# Altium PCB 键盘 - 副本 - 副本.PcbDoc (part 1 of 3) (continued)
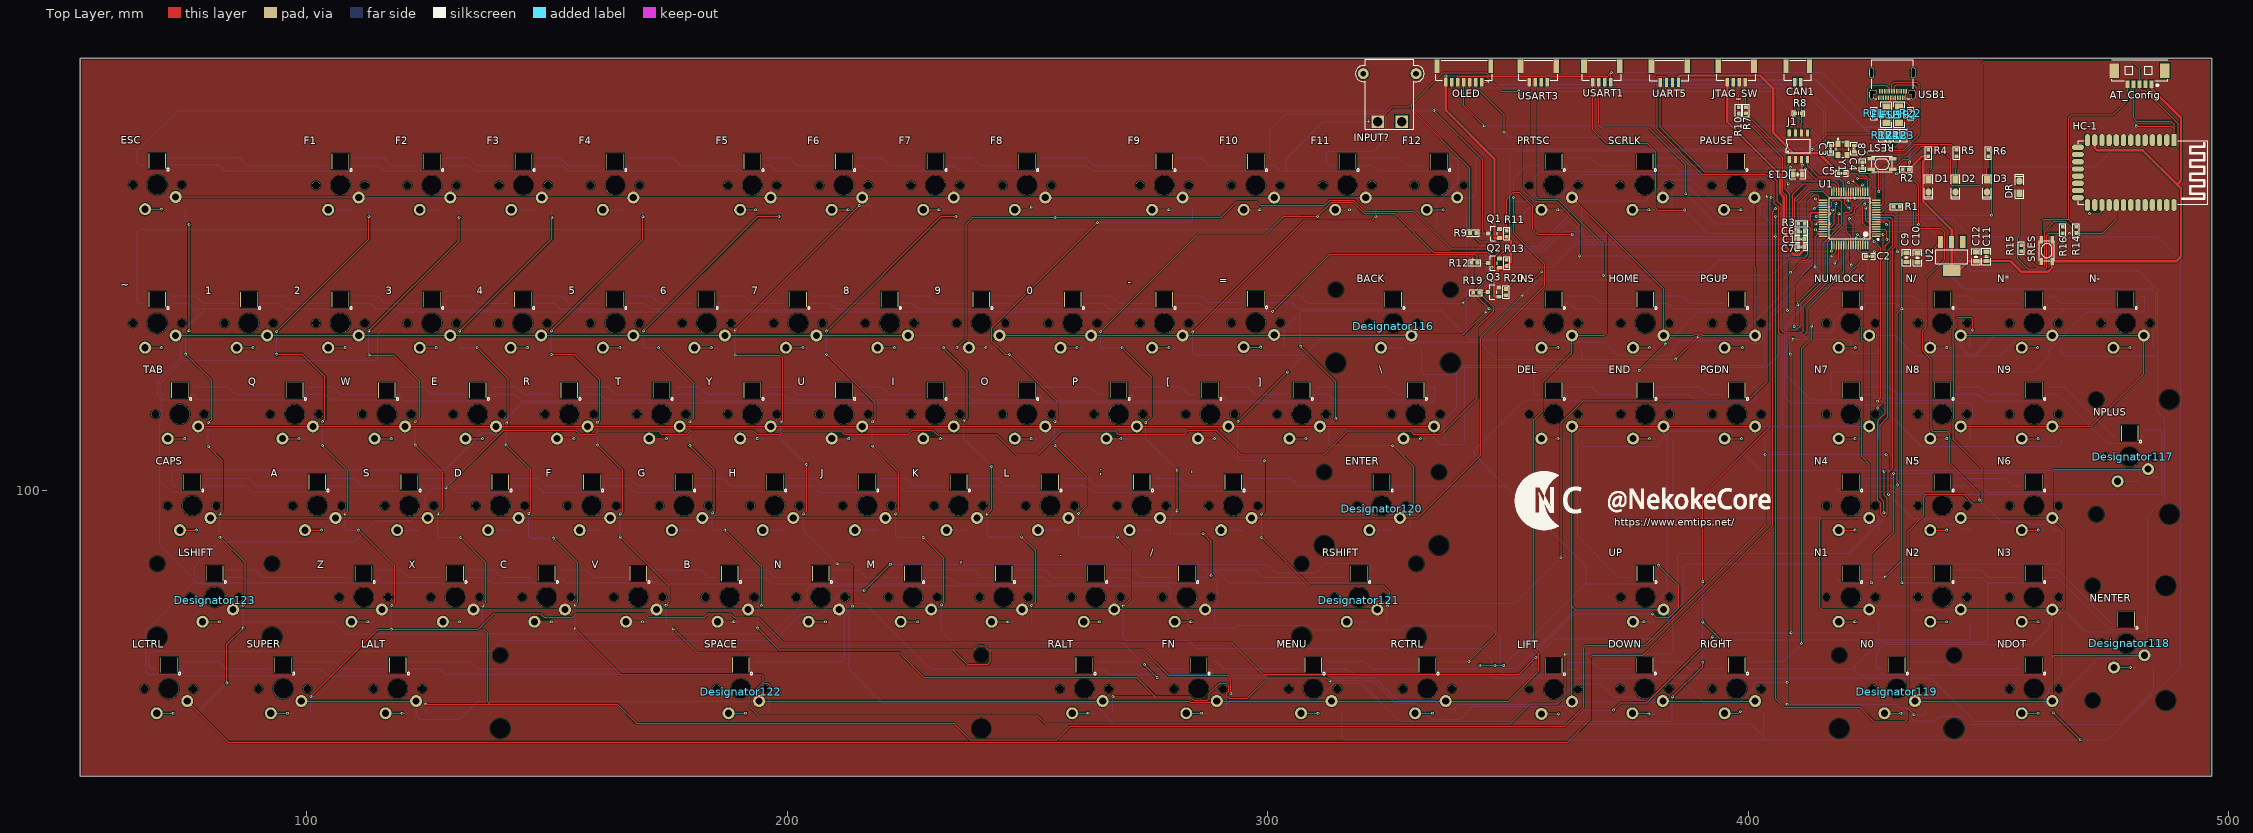
[diagram p0: Top Layer view]
## Components (designator, comment, footprint, x,y, rotation, side; value= is the part's Value field where it differs from the comment) (continued)
T "Comment" MX_SW-1 173.863,115.951 r0 top locked
TAB "Comment" MX_SW-1 73.66,115.951 r0 top locked
U "Comment" MX_SW-1 211.836,115.951 r0 top locked
U1 "STM32F405RGT6" STM32F405RGT6 421.005,156.464 r180 top
U2 "SPX1117M3-L-3-3" SPX1117M3-L-3-3/TR 442.341,148.844 r90 top
UART5 "HDR1x4" GH1.25-立贴-4P 385.5,184.991 r180 top
UP "Comment" MX_SW-1 378.587,77.851 r0 top locked
USART1 "HDR1x4" GH1.25-立贴-4P 371.435,185.039 r180 top
USART3 "HDR1x4" GH1.25-立贴-4P 358.227,185.039 r180 top
USB1 "TYPE-C 24P QT" USB-C-SMD_TYPE-C-24P-QT 430.022,184.404 r180 top
V "Comment" MX_SW-1 169.037,77.851 r0 top locked
W "Comment" MX_SW-1 116.713,115.951 r0 top locked
X "Comment" MX_SW-1 130.937,77.851 r0 top locked
Y "Comment" MX_SW-1 192.786,115.951 r0 top locked
Y1 "12MHZ" SMD-3225_4P 418.719,172.212 r270 top
Z "Comment" MX_SW-1 111.887,77.851 r0 top locked
~ "Comment" MX_SW-1 68.961,134.874 r0 top locked

## Footprints (in the part's own frame and the unit in brackets; to place one, negate y for a bottom-side part, rotate by r counter-clockwise, add the part's x,y. Pads: shape width x height; smd on the part's side, far side on the other; paste and mask are expansions set on the pad)
0603P [mil]
  rect 30x30 smd: 1(-27,0) 2(27.5,-0.06)
  silkscreen extent -50,-20 50,20
AO3400A [mm] "SOT-23_L2.9-W1.3-P1.90-LS2.4-BR"
  rect 1x0.8 smd mask+0.051: 1(1.15,-0.95) 2(1.15,0.95) 3(-1.15,0)
  silkscreen extent -0.7,-1.5 0.7,1.5, body extent -1.5,-1.55 1.5,1.55, height 1.25
"C 0603_L" [mil] "无极性贴片电容                                       淘宝ID:黄晶宝石"
  rect 30x30 smd: 1(-25.59,0) 2(25.59,0)
  silkscreen extent -51,-26 51,26, body extent -31,-16 31,16, height 32
"C 0805_L" [mil] "无极性贴片电容                                        淘宝ID:黄晶宝石"
  rect 35x50 smd: 1(-37.4,0) 2(37.4,0)
  silkscreen extent -67,-36 67,36, body extent -39,-24 39,24, height 20
"FU 1206" [mil] "贴片保险丝"
  rect 50x65 smd: 1(-67.5,0) 2(67.5,0)
  silkscreen extent -105,-45 105,45, body extent -63,-32 63,32, height 34
GH1.25-立贴-2P [mm]
  rect 1x2.8 smd: 0(-1.85,-3.35) 0(3.1,-3.35)
  rect 0.7x1.8 smd: 1(0,0) 2(1.25,0)
  silkscreen extent -2.16,-4.57 3.43,-0.38, body extent -3.19,-4.33 4.46,-0.23, height 4.7
GH1.25-立贴-4P [mm]
  rect 1.2x2.8 smd: 0(-1.85,-3.35) 0(5.6,-3.35)
  rect 0.7x1.8 smd: 1(0,0) 2(1.25,0) 3(2.5,0) 4(3.75,0)
  silkscreen extent -2.16,-4.57 5.97,-0.38, body extent -3.23,-4.08 6.92,0.02, height 4.7
GH1.25-立贴-7P [mm]
  rect 1x2.8 smd: 0(-1.85,-3.35) 0(9.35,-3.35)
  rect 0.7x1.8 smd: 1(0,0) 2(1.25,0) 3(2.5,0) 4(3.75,0) 5(5,0) 6(6.25,0) 7(7.5,0)
  silkscreen extent -2.16,-4.57 9.65,-0.38, body extent -3.2,-4.14 10.7,-0.04, height 4.7
HC-04 [mm] "串口蓝牙模块"
  rect 2.5x1.1 smd: 1(-6.75,6.403)
  oval 2.5x1.1 smd: 2(-6.75,4.903) 3(-6.75,3.403) 4(-6.75,1.903) 5(-6.75,0.403) 6(-6.75,-1.097) 7(-6.75,-2.597) 8(-6.75,-4.097) 9(-6.75,-5.597) 10(-6.75,-7.097) 11(-6.75,-8.597) 12(-6.75,-10.097) 13(-6.75,-11.597) 22(6.75,-11.597) 23(6.75,-10.097) 24(6.75,-8.597) 25(6.75,-7.097) 26(6.75,-5.597) 27(6.75,-4.097) 28(6.75,-2.597) 29(6.75,-1.097) 30(6.75,0.403) 31(6.75,1.903) 32(6.75,3.403) 33(6.75,4.903) 34(6.75,6.403)
  oval 1.1x2.5 smd: 14(-5.25,-13.597) 15(-3.75,-13.597) 16(-2.25,-13.597) 17(-0.75,-13.597) 18(0.75,-13.597) 19(2.25,-13.597) 20(3.75,-13.597) 21(5.25,-13.597)
  silkscreen extent -6.65,-13.49 6.64,13.46, body extent -6.52,-13.37 6.52,13.35, height 2.46
"LED 0805R" [mil] "红色0805LED                                       淘宝ID:黄晶宝石"
  rect 60x50 smd: 1(-50,0)
  oct 60x50 smd: 2(50,0)
  silkscreen extent -90,-35 105,35, body extent -39,-25 39,25, height 32
LL-34_L3.7-W1.6-RD [mil]
  rect 44x67 smd: 1(73,0) 2(-73,0)
  silkscreen extent -39,-27 41,28, body extent -68,-29 78,34, height 63
"MX 1.25-WS-5P" [mm] "长：11.4mm，宽：4.2mm，高：3.4mm"
  rect 2x3 smd: 0(-5.257,0) 0(5.257,0)
  rect 0.8x1.6 smd: 1(-2.514,2.811) 2(-1.264,2.811) 3(-0.014,2.811) 4(1.236,2.811) 5(2.486,2.811)
  silkscreen extent -5.86,-2.23 5.83,3.25, body extent -5.7,-2.1 5.7,3.09, height 3.4
MX_SW-1 [mm] "with Fixation pins  1-Pole w/Diode"
  round 2.5 hole 1.5: 1(3.81,-2.54) 2(-2.54,-5.08)
  rect 1.7x0.9 smd far side: 3(2.85,4.203) 4(2.85,5.703) 6(-2.85,4.203)
  oct 1.8x0.9 smd far side: 5(-2.9,5.703)
  round 1.702 hole 1.702: ""(-5.08,0) ""(5.08,0)
  round 4.064 hole 4.064: ""(0,0)
  rect 3.6x3.2 hole 3.2 square: ""(0,4.953)
  silkscreen extent 1.97,2.93 2.47,3.42, body extent -7.85,-7.8 7.75,7.8, height 15.4
"R 0603_L" [mil] "1/10W贴片电阻                 淘宝ID:黄晶宝石"
  rect 30x30 smd: 1(-25.59,0) 2(25.59,0)
  silkscreen extent -51,-26 51,26, body extent -31,-16 32,16, height 16
SMD-3.2*4.2 [mm]
  rect 1.5x0.7 smd: 1(-2.25,1.125) 1(2.25,1.125) 2(-2.25,-1.125) 2(2.25,-1.125)
  silkscreen extent -2.1,-1.6 2.1,1.6, body extent -2.73,-1.6 2.47,1.58, height 1.8
SMD-3225_4P [mm]
  rect 1.3x1.05 smd: 1(0,0) 2(2.3,0) 3(2.3,1.85) 4(0,1.85)
  silkscreen extent -1.14,-0.33 2.74,2.17, body extent -0.46,-0.36 2.74,2.14, height 0.7
SOIC-8_150MIL [mm]
  rect 1.473x0.65 smd: 1(0,0) 2(0,-1.27) 3(0,-2.54) 4(0,-3.81) 5(5.5,-3.81) 6(5.5,-2.54) 7(5.5,-1.27) 8(5.5,0)
  silkscreen extent 1.35,-4.34 4.2,0.58, body extent -0.3,-4.34 5.7,0.56, height 1.7
SPX1117M3-L-3-3/TR [mm] "SOT-223-3_L6.5-W3.4-P2.30-LS7.0-BR"
  rect 2.5x1.1 smd mask+0.051: 1(2.97,-2.3) 2(2.97,0) 3(2.97,2.3)
  rect 2.34x3.6 smd mask+0.051: 4(-2.97,0)
  silkscreen extent -1.57,-3.33 1.37,3.33, body extent -3.65,-3.35 3.64,3.35, height 1.81
STM32F405RGT6 [mm] "LQFP-64_L10.0-W10.0-P0.50-LS12.0-BL"
  oval 1.796x0.28 smd: 1(-5.677,3.496) 2(-5.677,2.996) 3(-5.677,2.496) 4(-5.677,1.996) 5(-5.677,1.496) 6(-5.677,0.996) 7(-5.677,0.496) 8(-5.677,-0.004) 9(-5.677,-0.504) 10(-5.677,-1.004) 11(-5.677,-1.504) 12(-5.677,-2.004) 13(-5.677,-2.504) 14(-5.677,-3.004) 15(-5.677,-3.504) 16(-5.677,-4.004) 33(5.423,-4.004) 34(5.423,-3.504) 35(5.423,-3.004) 36(5.423,-2.504) 37(5.423,-2.004) 38(5.423,-1.504) 39(5.423,-1.004) 40(5.423,-0.504) 41(5.423,-0.004) 42(5.423,0.496) 43(5.423,0.996) 44(5.423,1.496) 45(5.423,1.996) 46(5.423,2.496) 47(5.423,2.996) 48(5.423,3.496)
  oval 0.28x1.796 smd: 17(-3.877,-5.804) 18(-3.377,-5.804) 19(-2.877,-5.804) 20(-2.377,-5.804) 21(-1.877,-5.804) 22(-1.377,-5.804) 23(-0.877,-5.804) 24(-0.377,-5.804) 25(0.123,-5.804) 26(0.623,-5.804) 27(1.123,-5.804) 28(1.623,-5.804) 29(2.123,-5.804) 30(2.623,-5.804) 31(3.123,-5.804) 32(3.623,-5.804) 49(3.623,5.296) 50(3.123,5.296) 51(2.623,5.296) 52(2.123,5.296) 53(1.623,5.296) 54(1.123,5.296) 55(0.623,5.296) 56(0.123,5.296) 57(-0.377,5.296) 58(-0.877,5.296) 59(-1.377,5.296) 60(-1.877,5.296) 61(-2.377,5.296) 62(-2.877,5.296) 63(-3.377,5.296) 64(-3.877,5.296)
  silkscreen extent -6.18,-4.5 4.12,4.29, body extent -6.01,-6.14 5.76,5.63, height 1.55
USB-C-SMD_TYPE-C-24P-QT [mm]
  oval 1x2 hole 0.6 slot 1.6 at 90 deg: 1(-4.32,1.963) 2(4.32,1.963)
  oval 1.5x1 hole 0.6 slot 1.2 at 0 deg: 1(-3.97,1.463) 2(3.97,1.463)
  oval 1x2.3 hole 0.6 slot 1.9 at 90 deg: 3(4.32,-2.587) 4(-4.32,-2.587)
  rect 0.3x0.95 smd: A1(-2.625,2.588) A2(-2.125,2.588) A3(-1.625,2.588) A4(-1.125,2.588) A5(-0.625,2.588) A6(-0.125,2.588) A7(0.375,2.588) A8(0.875,2.588) A9(1.375,2.588) A10(1.875,2.588) A11(2.375,2.588) A12(2.875,2.588) B1(2.625,1.288) B2(2.125,1.288) B3(1.625,1.288) B4(1.125,1.288) B5(0.625,1.288) B6(0.125,1.288) B7(-0.375,1.288) B8(-0.875,1.288) B9(-1.375,1.288) B10(-1.875,1.288) B11(-2.375,1.288) B12(-2.875,1.288)
  round 0.5 hole 0.5 unplated: ""(-3.4,0.613) ""(3.4,0.613)
  silkscreen extent -4.32,-5.29 4.32,2.79
XT30PW-M [mm]
  round 2.3 hole 1.2: 0(-5.5,-5) 0(5.5,-5)
  rect 2.6x2.6 hole 1.9: 1(-2.5,5) 2(2.5,5)
  silkscreen extent -7.18,-7.95 7.14,6.52, body extent -6.67,-7.95 6.63,6, height 5
卫星轴 [mil] "stab"
  round 0 hole 120: 0(-470,275) 3(470,275)
  round 0 hole 157: 1(-470,-325) 4(470,-325)
  body extent -599,-435 609,321, height 622
空格卫星轴 [mil] "stab"
  round 0 hole 120: 0(1970,275) 3(-1970,275)
  round 0 hole 157: 1(1970,-325) 4(-1970,-325)
  body extent -2103,-433 2104,328, height 461

## Part data
0 1 2 3 4 5 6 7 8 9 ' , - . / ; = [ \ ] A B BACK C CAPS D DEL DOWN E END ENTER ESC F F1 F2 F3 F4 F5 F6 F7 F8 F9 F10 F11 F12 FN G H HOME I INS J K L LALT LCTRL LIFT LSHIFT M MENU N N0 N1 N2 N3 N4 N5 N6 N7 N8 N9 N* N- N/ NDOT NENTER NPLUS NUMLOCK O P PAUSE PGDN PGUP PRTSC Q R RALT RCTRL RIGHT RSHIFT S SCRLK SPACE SUPER T TAB U UP V W X Y Z ~: library part MX_SW-1
AT_Config: library part HDR1x5_卧
C1 C2 C3 C4 C5 C6 C7 C8 C9 C10 C11 C12 C13: "Capacitor", LatestRevisionDate=17-Jul-2002, LatestRevisionNote="Re-released for DXP Platform.", PackageDescription="Radial Cap, Thru-Hole; 2 Leads; 0.3 in Pin Spacing", PackageReference=RAD-0.3, Published=8-Jun-2000, Publisher="Altium Limited"
D1 D2 D3 DR: library part "LED 0805R 红", "Typical INFRARED GaAs LED", LatestRevisionDate=08-Jul-2005, LatestRevisionNote="Mech Layer 1 removed.", PackageDescription="LED; 2 Leads", PackageReference=LED-0, Published=8-Jun-2000, Publisher="Altium Limited"
D4 D5 D6 D7 D8 D9 D10 D11 D12 D13 D14 D15 D16 D17 D18 D19 D20 D21 D22 D23 D24 D25 D26 D27 D28 D29 D30 D31 D32 D33 D34 D35 D36 D37 D38 D39 D40 D41 D42 D43 D44 D45 D46 D47 D48 D49 D50 D51 D52 D53 D54 D55 D56 D57 D58 D59 D60 D61 D62 D63 D64 D65 D66 D67 D68 D69 D70 D71 D72 D73 D74 D75 D76 D77 D78 D79 D80 D81 D82 D83 D84 D85 D86 D87 D88 D89 D90 D91 D92 D93 D94 D95 D96 D97 D98 D99 D100 D101 D102 D103 D104 D105 D106 D107: library part Diode, "Default Diode", Code_JEDEC=DO-214-AB, LatestRevisionDate=17-Jul-2002, LatestRevisionNote="Re-released for DXP Platform.", PackageDescription="DO-214-AB/SMC; 2 C-Bend Leads; Body 7.9 x 5.9 mm, inc. leads (LxW)", PackageReference=SMC, PackageVersion=Sep-1996, Published=8-Jun-2000, Publisher="Altium Limited"
FUSB FUSB2: library part FU, LatestRevisionDate=17-Jul-2002, LatestRevisionNote="Re-released for DXP Platform.", PackageDescription="Axial Device, Thru-Hole; 2 Leads; 0.3 in Pin Spacing", PackageReference=AXIAL-0.3, Published=8-Jun-2000, Publisher="Altium Limited"
HC-1: library part HC-04
J1: BOM_JLCPCB Part Class="Basic Part", BOM_Manufacturer=NXP, BOM_Manufacturer Part=TJA1050T/CM,118, BOM_Supplier=LCSC, BOM_Supplier Part=C6952, spicePre=U, spiceSymbolName=TJA1050T/CM,118
JTAG_SW UART5 USART1 USART3: library part HDR1x4_卧
Q1 Q2 Q3: library part 2N7002,215, Continuous Drain Current (Id)=300mA, Drain Source On Resistance (RDS(on)@Vgs,Id)=5Ω@10V,500mA, Drain Source Voltage (Vdss)=60V, Gate Threshold Voltage (Vgs(th)@Id)=2.5V@250A, JLCPCB Part Class="Extended Part", LCSC Part Name="N沟道 60V 300mA", Manufacturer=Nexperia(安世), Power Dissipation (Pd)=830mW, Add into BOM=yes, Convert to PCB=yes, Datasheet=https://atta.szlcsc.com/upload/public/pdf/source/20170103/1483439882638.pdf, Device=2N7002,215, Manufacturer Part=2N7002,215, Supplier=LCSC, Supplier Footprint=SOT-23(SOT-23-3), Supplier Part=C65189, Symbol=2N7002,215, Type=N沟道
R1 R2 R3 R4 R5 R6 R7 R8 R9 R10 R11 R12 R13 R17 R18 R19 R20 R21 R22 R23 R24: "Resistor", LatestRevisionDate=17-Jul-2002, LatestRevisionNote="Re-released for DXP Platform.", PackageDescription="Axial Device, Thru-Hole; 2 Leads; 0.4 in Pin Spacing", PackageReference=AXIAL-0.4, Published=8-Jun-2000, Publisher="Altium Limited"
R14 R15 R16: library part "R 0603_L", "Resistor", LatestRevisionDate=17-Jul-2002, LatestRevisionNote="Re-released for DXP Platform.", PackageDescription="Axial Device, Thru-Hole; 2 Leads; 0.4 in Pin Spacing", PackageReference=AXIAL-0.4, Published=8-Jun-2000, Publisher="Altium Limited"
REST SRES: "Switch", LatestRevisionDate=17-Jul-2002, LatestRevisionNote="Re-released for DXP Platform.", PackageDescription="Switch; 2 Leads", PackageReference=SPST-2, Published=24-Mar-1999, Publisher="Altium Limited"
U1: BOM_JLCPCB Part Class="Extended Part", BOM_Manufacturer=ST, BOM_Manufacturer Part=STM32F405RGT6, BOM_Supplier=LCSC, BOM_Supplier Part=C15742, image=http://image.lceda.cn/szlcsc/C15742.jpg, spicePre=U, spiceSymbolName=STM32F405RGT6, subpart_no=1, tags=STM32
U2: Dropout Voltage=5V@(10mA), JLCPCB Part Class="Extended Part", LCSC Part Name="Vin=40V Vout=1.3V~37V 1A", Manufacturer=UTC(友顺), Manufacturer Part=LM317G-AA3-R, Maximum Input Voltage=40V, Output Current=1A, Output Voltage=1.3V~37V, Add into BOM=yes, Convert to PCB=yes, Datasheet=https://atta.szlcsc.com/upload/public/pdf/source/20160416/1460799387250.pdf, Device=LM317G-AA3-R, Number of Outputs=1, Output Polarity=正, Output Type=可调, Supplier=LCSC, Supplier Footprint=SOT-223, Supplier Part=C19651, Symbol=LM317G-AA3-R
USB1: BOM_JLCPCB Part Class="Extended Part", BOM_Manufacturer="SHOU HAN(首韩)", BOM_Manufacturer Part="TYPE-C 24P QT", BOM_Supplier=LCSC, BOM_Supplier Part=C2681555, Contributor=LCSC, spicePre=U, spiceSymbolName="TYPE-C 24P QT"
Y1: library part "3325 12Mhz", "3325 12MHZ 无源晶振"

## Via types
v1: diameter 0.61, hole 0.305, Top Layer to Bottom Layer, 337 vias

## Nets (pads, with @x,y where several pads share a name; then routed paths per layer and width w, separated by ;. In a path a pad name is that pad's centre, name@x,y a point inside that pad or via, vN(x,y) a via of type N, cw(c..) or ccw(c..) an arc to the next point about the centre after c; other vN are vias at no path point)
BUTTON_AD(PA3): OLED.1 U1.17 | length 95.8
  Top Layer w0.254: OLED.1@344.598,185.039 344.598,185.064 v1(345.846,185.064) ; v1(422.745,165.024) 424.45,165.024 424.882,164.592 U1.17@424.882,162.268
  Bottom Layer w0.254: v1(345.846,185.064) 346.304,184.607 411.226,184.607 416.16,179.673 416.16,171.609 v1(422.745,165.024)
CAN2_RX(PB5): J1.4 U1.57 | length 33.1
  Top Layer w0.254: J1.4@412.369,168.998 412.369,167.65 414.614,165.405 420.805,165.405 421.538,166.138 422.475,166.138 422.99,165.624 424.494,165.624 425.399,164.719 425.399,161.341 424.993,160.934 424.434,160.934 422.158,158.659 422.158,158.067 421.594,157.502 420.652,157.502 420.427,157.277 420.427,153.969 421.382,153.014 U1.57@421.382,151.168
CAN2_TX(PB6): J1.1 U1.58 | length 28.1
  Top Layer w0.254: v1(408.356,163.871) 408.162,164.065 408.162,167.698 408.559,168.096 J1.1@408.559,168.998 ; v1(421.059,156.667) 421.059,156.131 421.872,155.318 421.872,151.931 421.882,151.92 U1.58@421.882,151.168
  Bottom Layer w0.254: v1(408.356,163.871) 408.356,161.874 410.079,160.15 413.989,160.15 414.935,159.204 418.522,159.204 v1(421.059,156.667)
CAN_H: CAN1.2 J1.7 R8.2 | length 10.6
  Top Layer w0.254: CAN1.2@409.702,185.039 409.702,181.813 409.765,181.75 R8.2@409.765,178.564 409.765,176.594 409.829,176.53 J1.7@409.829,174.498
CAN_L: CAN1.1 J1.6 R8.1 | length 10.6
  Top Layer w0.254: CAN1.1@410.952,185.039 410.952,181.884 411.15,181.686 R8.1@411.15,178.562 411.15,176.581 411.099,176.53 J1.6@411.099,174.498
DIN_1_1: F12.4 ~.6 | length 304.1
  Bottom Layer w0.254: ~.6@66.111,139.077 65.024,139.077 64.821,139.28 64.821,153.797 65.43,154.407 334.874,154.407 335.305,154.838 335.305,159.884 339.7,164.278 339.7,169.062 339.483,169.279 F12.4@338.511,169.279
DIN_2_1: \.4 CAPS.6 | length 277.7
  Bottom Layer w0.254: CAPS.6@73.35,101.104 72.339,101.104 72.06,101.383 72.06,103.708 72.746,104.394 128.88,104.394 136.55,112.065 138.562,112.065 138.816,111.811 140.076,111.811 141.023,112.758 141.023,114.402 144.931,118.31 334.058,118.31 334.874,119.126 334.874,121.451 334.67,121.654 \.4@333.685,121.654
DIN_3_1: LCTRL.6 RSHIFT.4 | length 269
  Top Layer w0.254: v1(216.052,79.273) v1(221.513,84.734)
  Bottom Layer w0.254: LCTRL.6@68.524,63.004 67.691,63.004 67.234,63.461 67.234,65.989 67.869,66.624 138.481,66.624 140.818,68.961 197.46,68.961 202.87,74.371 206.866,74.371 211.769,79.273 v1(216.052,79.273) ; v1(221.513,84.734) 299.974,84.734 301.727,82.982 310.083,82.982 311.988,84.887 321.056,84.887 321.462,84.48 321.462,83.554 RSHIFT.4@321.874,83.554
DIN_3_2: DEL.6 PGUP.4 | length 61.3
  Top Layer w0.254: v1(377.342,125.044) v1(382.829,130.531)
  Bottom Layer w0.254: DEL.6@356.687,120.154 355.6,120.154 355.371,120.383 355.371,124.686 355.73,125.044 v1(377.342,125.044) ; v1(382.829,130.531) 389.534,137.236 401.142,137.236 401.676,137.77 401.676,140.425 401.523,140.577 PGUP.4@400.487,140.577
DIN_3_3: N9.4 NPLUS.6 | length 18.5
  Bottom Layer w0.254: N9.4@462.336,121.654 465.785,121.654 476.175,111.264 NPLUS.6@476.575,111.264
DIN_3V3_1(PB7): Q1.2 R11.1 U1.59 | length 97.5
  Top Layer w0.254: Q1.2@348.241,154.493 R11.1@349.758,154.493 ; R11.1@349.758,154.193 R11.1@349.758,154.493 ; v1(363.407,153.365) 356.21,153.365 355.194,154.381 355.194,159.258 352.349,162.103 351.13,162.103 350.418,161.392 ; U1.59@422.382,151.168 422.382,152.457 v1(422.504,152.578) ; R11.1@349.758,154.493 349.91,154.493 350.418,155.001 350.418,161.392 ; R11.1@349.758,154.493 349.758,160.731 350.418,161.392
  Bottom Layer w0.254: v1(363.407,153.365) 364.944,151.829 419.627,151.829 420.376,152.578 v1(422.504,152.578)
DIN_3V3_2(PB8): Q2.2 R13.1 U1.61 | length 82.5
  Top Layer w0.254: v1(349.352,149.758) 349.078,149.758 348.234,148.914 Q2.2@348.234,148.336 348.869,148.336 349.108,148.097 R13.1@349.758,148.097 ; v1(422.798,153.391) 423.382,152.806 U1.61@423.382,151.168
  Bottom Layer w0.254: v1(349.352,149.758) 357.403,149.758 361.673,154.028 364.327,154.028 366.04,152.316 417.492,152.316 418.567,153.391 v1(422.798,153.391)
DIN_3V3_3(PB9): Q3.2 R20.1 U1.62 | length 82.4
  Top Layer w0.254: Q3.2@348.114,142.301 348.717,142.301 349.017,142.001 R20.1@349.631,142.001 351.826,144.196 355.651,144.196 v1(357.048,145.593) ; U1.62@423.882,151.168 423.882,152.381 v1(424.078,152.578)
  Bottom Layer w0.254: v1(357.048,145.593) 391.439,145.593 393.97,148.123 419.395,148.123 422.738,151.466 423.756,151.466 424.078,151.789 v1(424.078,152.578)
DIN_5V0_1: ESC.6 Q1.3 R9.1 | length 309.8
  Top Layer w0.254: v1(334.62,179.146) 344.729,169.037 344.729,154.026 345.211,153.543 ; R9.1@343.423,153.67 344.602,153.67 344.729,153.543 345.211,153.543 ; Q1.3@345.941,153.543 345.211,153.543
  Bottom Layer w0.254: ESC.6@66.111,167.906 65.024,167.906 64.821,168.109 64.821,170.663 73.304,179.146 v1(334.62,179.146)
DIN_5V0_2: Q2.3 R12.1 TAB.6 | length 295.2
  Top Layer w0.254: v1(301.066,137.36) 312.931,149.225 343.194,149.225 343.677,148.742 R12.1@343.677,147.447 344.754,147.447 344.815,147.386 Q2.3@345.934,147.386
  Bottom Layer w0.254: TAB.6@70.81,120.154 69.901,120.154 69.533,120.522 69.533,122.428 74.308,127.203 114.427,127.203 114.833,127.61 114.833,132.436 119.631,137.233 226.92,137.233 226.924,137.236 295.453,137.236 295.577,137.36 v1(301.066,137.36)
DIN_5V0_3: LSHIFT.6 Q3.3 R19.1 | length 324.1
  Top Layer w0.254: v1(129.032,100.609) 140.995,112.573 156.032,112.573 156.794,111.811 160.071,111.811 160.731,112.471 173.304,112.471 173.965,111.811 179.222,111.811 179.959,112.547 193.015,112.547 193.751,111.811 198.653,111.811 199.314,112.471 211.303,112.471 211.963,111.811 225.247,111.811 226.009,112.573 230.353,112.573 231.216,111.709 243.611,111.709 247.777,107.544 252.222,107.544 257.15,112.471 268.3,112.471 268.961,111.811 282.778,111.811 283.54,112.573 289.357,112.573 294.437,107.493 311.709,107.493 316.687,112.471 329.768,112.471 330.429,111.811 336.169,111.811 343.662,119.304 343.662,134.015 347.066,137.419 347.066,138.231 R19.1@344.073,141.224 344.983,141.351 Q3.3@345.814,141.351
  Bottom Layer w0.254: LSHIFT.6@78.049,82.054 77.114,82.054 76.772,82.396 76.772,84.328 81.877,89.433 110.058,89.433 114.452,93.828 121.768,93.828 124.765,96.825 124.765,99.035 126.34,100.609 v1(129.032,100.609)
GND_BT: 0.5 1.5 2.5 3.5 4.5 5.5 6.5 7.5 8.5 9.5 '.5 ,.5 -.5 ..5 /.5 ;.5 =.5 [.5 \.5 ].5 A.5 AT_Config.2 B.5 BACK.5 C1.2 C2.2 C3.2 C4.1 C5.2 C6.2 C7.2 C8.2 C9.1 C10.1 C11.1 C12.1 C13.2 C.5 CAPS.5 D1.2 D2.2 D3.2 D.5 DEL.5 DOWN.5 DR.2 E.5 END.5 ENTER.5 ESC.5 F1.5 F2.5 F3.5 F4.5 F5.5 F6.5 F7.5 F8.5 F9.3 F9.5 F10.5 F11.5 F12.5 F.5 FN.5 G.5 H.5 HC-1.13 HC-1.21 HC-1.22 HOME.5 I.5 INPUT?.1 INS.5 J1.2 J1.8 J.5 JTAG_SW.3 K.5 L.5 LALT.5 LCTRL.5 LIFT.5 LSHIFT.5 M.5 MENU.5 N0.5 N1.5 N2.5 N3.5 N4.5 N5.5 N6.5 N7.5 N8.5 N9.5 N*.5 N-.5 N.5 N/.5 NDOT.5 NENTER.5 NPLUS.5 NUMLOCK.5 O.5 OLED.6 P.5 PAUSE.5 PGDN.5 PGUP.5 PRTSC.5 Q.5 R1.2 R3.2 R15.2 R.5 RALT.5 RCTRL.5 REST.2 RIGHT.5 RSHIFT.5 S.5 SCRLK.5 SPACE.5 SUPER.5 T.5 TAB.5 U1.12 U1.18 U1.63 U2.1 U.5 UART5.2 UP.5 USART1.2 USART3.2 USB1.A1 USB1.A12 USB1.B1 USB1.B12 V.5 W.5 X.5 Y1.2 Y1.4 Y.5 Z.5 ~.5 | length 1.4
  Top Layer w0.254: USB1.A1@432.647,181.816 432.647,182.067 432.897,182.317 USB1.B12@432.897,183.116
HC_KEY: AT_Config.5 R14.2 SRES.1 | length 54.7
  Top Layer w0.254: SRES.1@461.028,147.737 SRES.1@461.028,152.237 461.028,156.058 461.5,156.53 466.674,156.53 ; R14.2@468.249,154.955 466.674,156.53 ; AT_Config.5@478.971,184.641 478.971,181.254 475.948,178.232 467.309,178.232 466.674,177.597 466.674,156.53
HC_RX: AT_Config.3 HC-1.2 U1.14 | length 120.5
  Top Layer w0.254: U1.14@426.682,159.468 427.819,159.468 428.066,159.715 428.066,167.437 428.269,167.64 430.902,167.64 432.294,169.032 433.435,169.032 436.067,171.665 439.586,171.665 442.163,169.088 442.163,163.83 442.366,163.627 448.259,163.627 448.742,164.109 448.742,188.925 449.097,189.281 479.998,189.281 481.471,187.808 AT_Config.3@481.471,184.641 481.471,183.693 481.776,183.388 482.523,183.388 489.499,176.412 489.499,171.501 489.397,171.399 487.427,171.399 487.122,171.704 HC-1.2@487.122,172.993
HC_TX: AT_Config.4 HC-1.1 U1.15 | length 104.3
  Top Layer w0.254: v1(425.342,159.968) U1.15@426.682,159.968 ; AT_Config.4@480.221,184.641 480.221,177.512 480.771,176.962 487.985,176.962 488.622,176.325 488.622,175.385 ; v1(480.771,175.92) 488.086,175.92 488.622,175.385 ; HC-1.1@488.622,172.993 488.622,175.385
  Bottom Layer w0.254: v1(425.342,159.968) 425.825,162.909 426.263,163.347 426.263,171.568 428.228,173.533 430.098,173.533 431.597,172.034 431.597,167.894 432.003,167.488 472.338,167.488 v1(480.771,175.92)
KEY_POS1: D4.2 D17.2 D31.2 D45.2 D58.2 D70.2 D84.2 D99.2 U1.8 | length 676.9
  Top Layer w0.254: v1(74.879,128.448) 80.264,123.063 80.264,114.935 v1(79.578,114.249) ; v1(75.565,133.325) v1(75.565,155.473) ; v1(79.578,109.245) 82.512,106.312 82.512,95.75 v1(81.991,95.23) ; v1(81.991,90.348) 87.211,85.128 87.211,76.517 v1(86.817,76.124) ; v1(83.439,59.995) 83.439,68.072 v1(86.817,71.45) ; U1.8@426.682,156.468 428.914,156.468 429.514,155.868 429.514,151.994 428.574,151.054 428.574,116.154 426.999,114.579 426.999,98.069 427.644,97.425 427.644,95.742 427.634,95.733 427.634,95.098 427.993,94.739 428.546,94.739 428.904,95.098 428.904,98.45 428.295,99.06 v1(428.295,104.064)
  Bottom Layer w0.254: D4.2@74.752,158.623 74.752,156.286 v1(75.565,155.473) ; v1(74.879,128.448) D17.2@74.879,129.794 74.879,132.639 v1(75.565,133.325) ; D70.2@77.165,53.721 v1(83.439,59.995) ; v1(79.578,109.245) D31.2@79.578,110.871 v1(79.578,114.249) ; v1(81.991,90.348) D45.2@81.991,91.821 v1(81.991,95.23) ; v1(86.817,71.45) D58.2@86.817,72.771 ; v1(86.817,76.124) D58.2@86.817,72.771 ; D84.2@365.455,110.871 365.455,109.728 365.912,109.271 381.102,109.271 381.559,109.728 381.559,110.343 383.134,111.917 ; v1(428.295,104.064) v1@428.495,104.264 ; D99.2@485.216,101.981 485.216,102.921 482.6,102.921 481.257,104.264 v1@428.495,104.264 ; D58.2@86.817,72.771 105.791,72.771 108.255,70.307 197.079,70.307 204.292,77.521 204.292,79.677 204.826,80.21 279.276,80.21 279.832,79.654 279.832,77.699 283.464,74.066 283.464,72.161 284.074,71.552 293.141,71.552 293.599,72.009 308.483,72.009 309.321,71.171 327.914,71.171 328.676,71.933 346.1,71.933 348.513,69.52 348.513,63.398 348.844,63.068 351.815,63.068 364.236,75.489 379.561,75.489 383.134,79.061 383.134,111.917 ; 383.134,111.917 383.687,112.471 396.24,112.471 396.697,112.014 396.697,110.134 402.568,104.264 428.295,104.264 v1@428.495,104.264
KEY_POS2: D5.2 D18.2 D32.2 D46.2 D59.2 D71.2 D85.2 D100.2 U1.9 | length 607.3
  Top Layer w0.254: v1(93.802,128.448) 99.136,128.448 103.848,123.736 103.848,114.927 v1(103.327,114.407) ; v1(93.802,133.172) 112.979,152.349 v1(112.979,157.099) ; v1(100.914,57.226) 114.859,71.171 v1@117.754,71.171 ; v1(103.327,109.398) 108.585,104.14 108.585,95.758 v1(108.026,95.199) ; v1(110.871,91.821) 118.364,84.328 118.364,76.835 v1(117.678,76.149) ; v1(117.678,71.247) v1@117.754,71.171 ; v1(355.829,65.329) 352.323,61.824 299.009,61.824 292.456,68.377 199.263,68.377 194.056,73.584 189.078,73.584 188.189,74.473 183.693,74.473 182.931,73.711 171.12,73.711 170.358,74.473 156.134,74.473 155.372,73.711 149.504,73.711 148.742,74.473 139.014,74.473 135.712,71.171 v1@117.754,71.171 ; U1.9@426.682,156.968 429.524,156.968 430.143,156.349 430.143,151.019 429.08,149.956 429.08,115.301 427.46,113.681 427.46,98.533 428.269,97.723 v1(428.269,95.453)
  Bottom Layer w0.254: v1(93.802,128.448) D18.2@93.802,129.794 v1(93.802,133.172) ; D71.2@100.914,53.721 v1(100.914,57.226) ; v1(103.327,109.398) D32.2@103.327,110.871 v1(103.327,114.407) ; v1(108.026,95.199) D46.2@108.026,91.821 v1(110.871,91.821) ; v1(112.979,157.099) D5.2@112.979,158.496 ; v1(117.678,71.247) D59.2@117.678,72.771 v1(117.678,76.149) ; v1(355.829,65.329) 359.766,69.266 380.822,69.266 383.489,71.933 383.489,73.965 383.896,74.676 385.343,76.124 385.343,86.563 385.75,86.97 420.929,86.97 426.479,92.519 426.72,92.761 ; D85.2@384.378,110.871 384.378,94.844 384.861,94.361 422.966,94.361 424.566,92.761 426.72,92.761 ; D100.2@427.177,91.821 427.177,93.218 ; 426.72,92.761 427.177,93.218 ; 427.177,93.218 428.269,94.31 v1(428.269,95.453) 427.177,94.361 427.177,93.218
KEY_POS3: D6.2 D19.2 D33.2 D47.2 D60.2 D72.2 D86.2 D101.2 U1.10 | length 593
  Top Layer w0.254: v1(112.979,128.27) 118.11,128.27 123.571,122.809 123.571,115.316 v1(122.631,114.376) ; v1(112.979,133.299) 131.775,152.095 v1(131.775,156.921) ; v1(122.631,109.525) 128.397,103.759 128.397,96.266 v1(127.33,95.199) ; v1(124.79,55.626) 138.151,55.626 ; v1(132.08,90.297) 137.303,85.074 137.303,76.627 v1(136.728,76.053) ; 136.728,71.298 137.693,70.333 137.693,56.083 138.151,55.626 ; v1(403.555,107.594) 403.555,92.862 378.562,67.869 366.217,67.869 365.811,67.462 365.811,54.991 361.798,50.978 258.902,50.978 256.134,48.209 238.1,48.209 234.696,51.613 168.681,51.613 164.668,55.626 138.151,55.626 ; U1.10@426.682,157.468 430.132,157.468 430.597,157.003 430.597,150.784 430.146,150.333 430.146,104.766 429.209,103.83 ; v1(428.727,107.594) 429.209,107.112 429.209,103.83 ; v1(429.209,99.263) 429.209,103.83
  Bottom Layer w0.254: v1(112.979,128.27) D19.2@112.979,129.794 v1(112.979,133.299) ; v1(122.631,109.525) D33.2@122.631,110.871 v1(122.631,114.376) ; D72.2@124.79,53.721 v1(124.79,55.626) ; v1(127.33,95.199) D47.2@127.33,91.821 127.33,90.576 127.61,90.297 v1(132.08,90.297) ; v1(131.775,156.921) D6.2@131.775,158.496 ; 136.728,71.298 D60.2@136.728,72.771 v1(136.728,76.053) ; v1(403.555,107.594) v1(428.727,107.594) 403.562,108.001 403.555,108.001 D86.2@403.555,110.871 ; v1(429.209,99.263) 434.188,94.285 440.157,94.285 441.427,93.015 443.408,93.015 444.297,92.126 446.227,92.126 D101.2@446.227,91.821
KEY_POS4: D7.2 D20.2 D34.2 D48.2 D61.2 D73.2 D87.2 D102.2 U1.11 | length 582.7
  Top Layer w0.254: v1(131.902,133.299) 151.079,152.476 v1(151.079,156.921) ; v1(135.509,129.794) 141.948,123.355 141.948,114.364 v1(141.681,114.097) ; v1(141.554,109.525) 146.647,104.432 146.647,95.689 v1(146.253,95.296) ; v1(151.384,90.17) 156.464,85.09 156.464,76.835 v1(155.905,76.276) ; v1(155.905,71.247) 165.379,61.773 194.614,61.773 195.021,61.366 195.021,59.995 ; v1(196.647,57.709) 196.647,59.334 195.986,59.995 195.021,59.995 ; v1(361.899,66.065) 361.899,57.187 360.363,55.651 354.676,55.651 350.536,51.511 253.797,51.511 252.12,53.188 194.107,53.188 192.16,55.134 192.16,57.252 194.903,59.995 195.021,59.995 ; U1.11@426.682,157.968 427.843,157.968 429.717,159.842 433.832,159.842 434.442,159.233 434.442,155.042 434.848,154.635 440.055,154.635 440.919,153.772 440.919,148.133 437.083,144.297 437.083,134.087 436.296,133.299 436.296,129.108 438.074,127.33 438.074,112.7 438.379,112.395 441.35,112.395 441.96,111.785 441.96,105.664 448.107,99.517 v1(448.107,98.069)
  Bottom Layer w0.254: v1(131.902,133.299) D20.2@131.902,129.794 v1(135.509,129.794) ; v1(141.554,109.525) D34.2@141.554,110.871 141.554,113.97 v1(141.681,114.097) ; v1(146.253,95.296) D48.2@146.253,91.694 146.253,90.627 146.71,90.17 v1(151.384,90.17) ; v1(151.079,156.921) D7.2@151.079,158.496 ; v1(155.905,71.247) D61.2@155.905,72.771 v1(155.905,76.276) ; D73.2@196.291,53.721 196.291,57.353 v1(196.647,57.709) ; v1(361.899,66.065) 383.794,66.065 384.378,66.65 D87.2@384.378,72.771 384.378,74.498 386.54,76.66 386.54,84.125 387.251,84.836 464.769,84.836 465.277,85.344 D102.2@465.277,91.821 463.652,91.821 462.458,93.015 458.927,93.015 458.521,93.421 452.755,93.421 v1(448.107,98.069)